# KiCad board the PETER keyboard.kicad_pcb (continued)
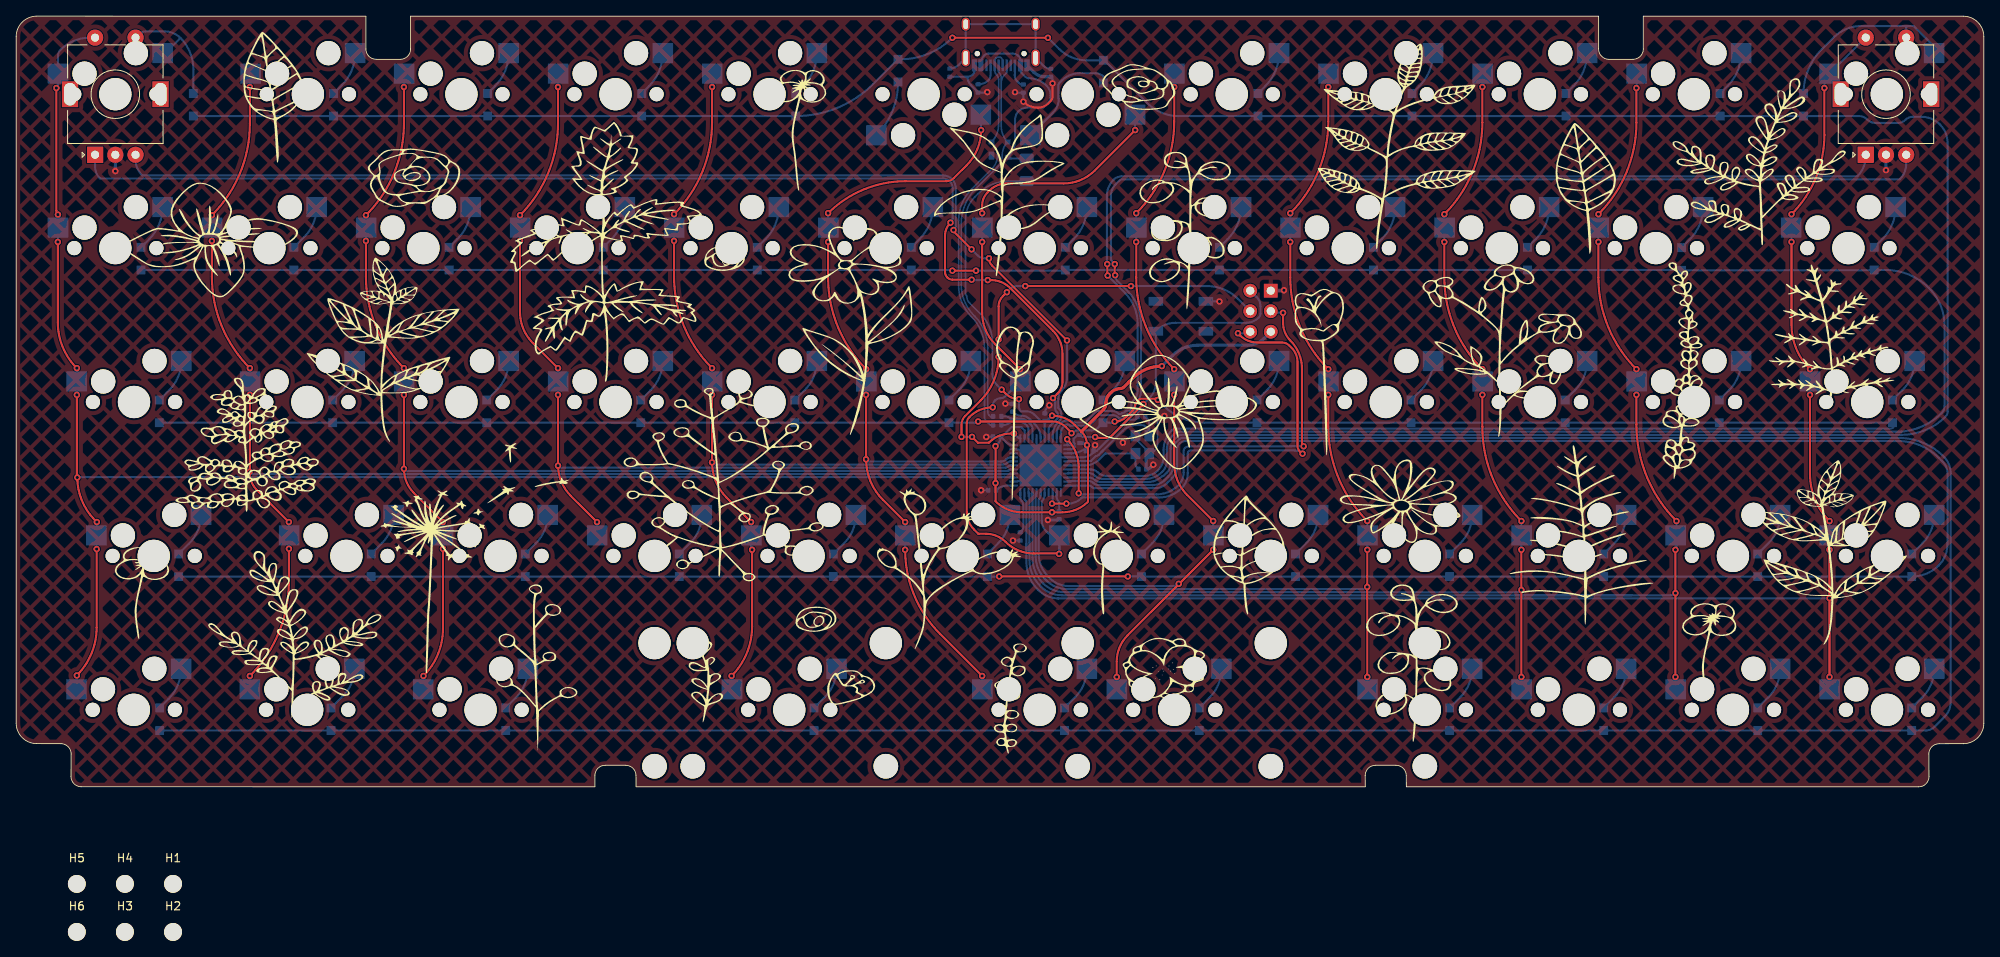
[diagram p0: board, top side]
## Routing (per net, layer and track width the routed paths; a pad name or vN(x,y) marks a point on that pad's centre or on a via; arc(x,y) is an arc through that point) (continued)
Net-(D21-Pad2): length 5.9
  Bottom w0.254: D21.2 168.86,67.8 arc(170.08,69.62) MX21.2
Net-(D22-Pad2): length 5.9
  Bottom w0.254: D22.2 187.91,67.8 arc(189.13,69.62) MX22.2
Net-(D23-Pad2): length 5.9
  Bottom w0.254: D23.2 206.94,67.74 arc(208.17,69.59) MX23.2
Net-(D24-Pad2): length 5.8
  Bottom w0.254: D24.2 230.75,67.78 arc(231.97,69.6) MX24.2
Net-(D25-Pad2): length 5.7
  Bottom w0.254: D25.2 18.91,49.08 arc(20.02,50.74) MX25.2
Net-(D26-Pad2): length 5.7
  Bottom w0.254: D26.2 40.35,49.09 arc(41.46,50.75) MX26.2
Net-(D27-Pad2): length 5.7
  Bottom w0.254: D27.2 59.4,49.09 arc(60.51,50.75) MX27.2
Net-(D28-Pad2): length 5.7
  Bottom w0.254: D28.2 78.45,49.09 arc(79.56,50.75) MX28.2
Net-(D29-Pad2): length 5.7
  Bottom w0.254: D29.2 97.5,49.09 arc(98.61,50.75) MX29.2
Net-(D30-Pad2): length 5.7
  Bottom w0.254: D30.2 116.55,49.09 arc(117.66,50.75) MX30.2
Net-(D31-Pad2): length 5.7
  Bottom w0.254: D31.2 135.6,49.09 arc(136.71,50.75) MX31.2
Net-(D32-Pad2): length 5.7
  Bottom w0.254: D32.2 154.65,49.09 arc(155.76,50.75) MX32.2
Net-(D33-Pad2): length 5.7
  Bottom w0.254: D33.2 173.7,49.09 arc(174.81,50.75) MX33.2
Net-(D34-Pad2): length 5.7
  Bottom w0.254: D34.2 192.75,49.09 arc(193.86,50.75) MX34.2
Net-(D35-Pad2): length 5.7
  Bottom w0.254: D35.2 211.8,49.09 arc(212.91,50.75) MX35.2
Net-(D36-Pad2): length 5.7
  Bottom w0.254: D36.2 233.24,49.1 arc(234.35,50.76) MX36.2
Net-(D37-Pad2): length 5.8
  Bottom w0.254: D37.2 21.39,30.12 arc(22.47,31.75) MX37.2
Net-(D38-Pad2): length 5.8
  Bottom w0.254: D38.2 45.22,30.15 arc(46.3,31.76) MX38.2
Net-(D39-Pad2): length 5.8
  Bottom w0.254: D39.2 64.27,30.15 arc(65.35,31.76) MX39.2
Net-(D40-Pad2): length 5.8
  Bottom w0.254: D40.2 83.32,30.15 arc(84.4,31.76) MX40.2
Net-(D41-Pad2): length 5.8
  Bottom w0.254: D41.2 102.37,30.15 arc(103.45,31.76) MX41.2
Net-(D42-Pad2): length 5.8
  Bottom w0.254: D42.2 121.42,30.15 arc(122.5,31.76) MX42.2
Net-(D43-Pad2): length 5.8
  Bottom w0.254: D43.2 140.47,30.15 arc(141.55,31.76) MX43.2
Net-(D44-Pad2): length 5.8
  Bottom w0.254: D44.2 159.52,30.15 arc(160.6,31.76) MX44.2
Net-(D45-Pad2): length 5.8
  Bottom w0.254: D45.2 178.57,30.15 arc(179.65,31.76) MX45.2
Net-(D46-Pad2): length 5.8
  Bottom w0.254: D46.2 197.62,30.15 arc(198.7,31.76) MX46.2
Net-(D47-Pad2): length 5.8
  Bottom w0.254: D47.2 216.67,30.15 arc(217.75,31.76) MX47.2
Net-(D48-Pad2): length 5.8
  Bottom w0.254: D48.2 235.72,30.15 arc(236.8,31.76) MX48.2
Net-(D49-Pad2): length 5.7
  Bottom w0.254: D49.2 18.84,10.88 arc(19.99,12.59) MX49.2
Net-(D50-Pad2): length 5.8
  Bottom w0.254: D50.2 40.45,11.29 arc(41.47,12.81) MX50.2
Net-(D51-Pad2): length 5.7
  Bottom w0.254: D51.2 61.77,11.01 arc(62.88,12.66) MX51.2
Net-(D52-Pad2): length 5.8
  Bottom w0.254: D52.2 99.98,11.08 arc(101.06,12.7) MX52.2
Net-(D53-Pad2): length 5.8
  Bottom w0.254: D53.2 130.95,11.1 arc(132.02,12.71) MX53.2
Net-(D54-Pad2): length 5.8
  Bottom w0.254: D54.2 147.56,11.04 arc(148.65,12.68) MX54.2
Net-(D55-Pad2): length 5.8
  Bottom w0.254: D55.2 178.57,11.1 arc(179.65,12.71) MX55.2
Net-(D56-Pad2): length 5.8
  Bottom w0.254: D56.2 197.62,11.1 arc(198.7,12.71) MX56.2
Net-(D57-Pad2): length 5.8
  Bottom w0.254: D57.2 216.67,11.1 arc(217.75,12.71) MX57.2
Net-(D58-Pad2): length 5.8
  Bottom w0.254: D58.2 235.72,11.1 arc(236.8,12.71) MX58.2
Net-(J1-PadA5): length 3.4
  Bottom w0.254: J1.A5 120.48,88.06 arc(120.42,87.73) 120.24,87.46 arc(119.67,87.08) 119.01,86.95 R_USB1.1
Net-(J1-PadB5): length 3
  Bottom w0.254: J1.B5 123.48,88.12 arc(123.49,88.12) 123.49,88.12 123.49,87.97 arc(123.55,87.64) 123.74,87.36 123.91,87.18 arc(124.2,86.99) R_USB2.1
Net-(R_HWB/PE2-Pad1): length 5.2
  Bottom w0.25: U1.33 124.17,35.79 arc(124.22,35.55) 124.35,35.35 arc(124.49,35.15) 124.53,34.92 124.53,32.17 arc(124.48,31.91) 124.34,31.7 R_HWB/PE2.1
Net-(R_USB3-Pad2): length 4.9
  Bottom w0.254: R_USB3.2 122.08,44.79 arc(122.58,44.89) 123.01,45.17 124.08,45.17 arc(124.5,45.09) 124.85,44.85 ; U1.3 125.17,44.2 arc(125.11,44.51) 124.94,44.77
Net-(R_USB4-Pad2): length 7
  Bottom w0.254: 122.95,45.57 122.97,45.56 124.23,45.56 ; 122.95,45.57 123.72,45.57 arc(123.73,45.57) 123.74,45.56 arc(123.75,45.56) 123.77,45.55 124.25,45.55 arc(124.72,45.46) 125.11,45.2 125.47,44.84 arc(125.62,44.61) 125.67,44.35 U1.4 ; 122.95,45.57 arc(122.64,45.78) 122.28,45.85 R_USB4.2

## Copper pours and planes (outline as drawn; the poured copper is in the pictures)
GND on Top, Bottom: -3.94,101.34 243.4,99.7 244.8,-6.73 -4.12,-4.57 -4.12,100.34 -3.94,101.34 -5.52,101.35 -3.87,101.73

## Text on the board
B.Silkscreen: the PETER v1.0 by Calvin#0563
